# Altium PCB v1.0.PcbDoc (part 2 of 2)
Units mil, origin at the board's own origin, x right, y up, seen from the top; angles counter-clockwise.
Board outline 5485 x 3895 mil, 2 copper layers (Top Layer, Bottom Layer); 197 components, 204 nets, 799 pads, 233 vias.
Unrouted connection lines stored in the file: 46.
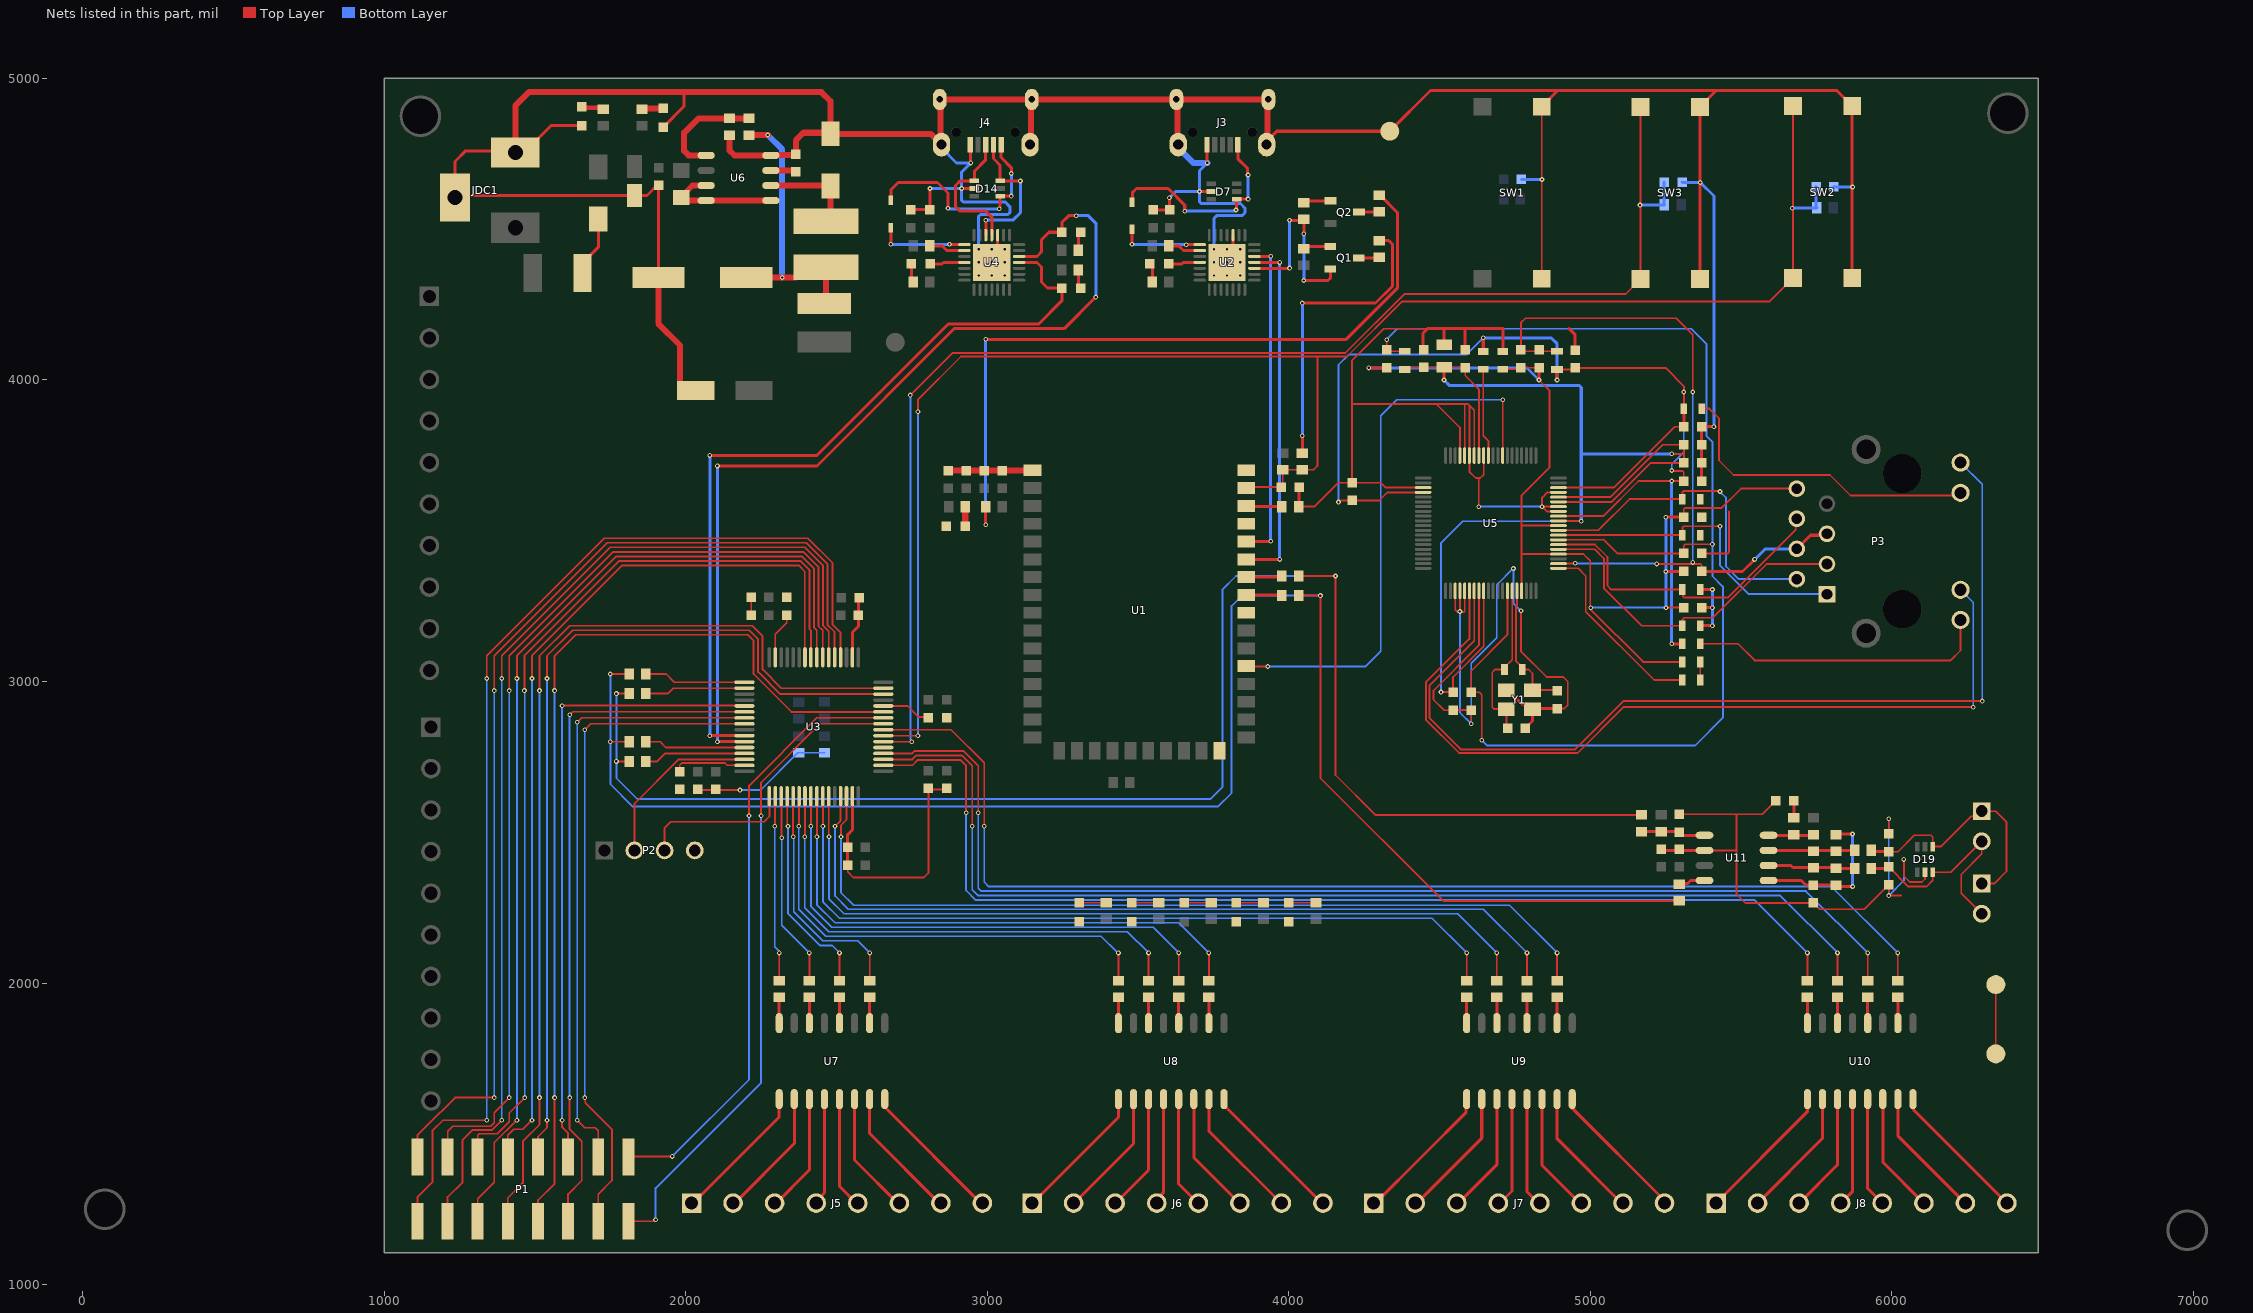
[diagram p2: the nets of this part, all layers, seen from the top]

## Via types
v1: diameter 15.75, hole 7.87, Top Layer to Bottom Layer, 214 vias
v2: diameter 19.68, hole 7.87, Top Layer to Bottom Layer, 18 vias
v3: diameter 23.62, hole 15, Top Layer to Bottom Layer, 1 vias

## Nets (pads, with @x,y where several pads share a name; then routed paths per layer and width w, separated by ;. In a path a pad name is that pad's centre, name@x,y a point inside that pad or via, vN(x,y) a via of type N, cw(c..) or ccw(c..) an arc to the next point about the centre after c; other vN are vias at no path point) (continued)
ESP_GPIO_37: U1.31 U5.28 | length 1860.7
  Top Layer w6: U1.31@3858.66,3050.94 3859.61,3050 v1(3930,3050) ; U5.28@4709.37,3749.41 4709.69,3749.72 v1(4709.69,3934.68)
  Bottom Layer w6: v1(3930,3050) 4255,3050 4305,3100 4305,3880.91 4358.77,3934.68 v1(4709.69,3934.68)
ESP_GPIO_40: D1.1 U1.34
ESP_GPIO_41: R7.1 U1.35 | length 119.7
  Top Layer w10: U1.35@3858.66,3287.17 3975.28,3287.17 R7.1@3977.44,3285
ESP_GPIO_42: R8.1 U1.36 | length 120.3
  Top Layer w10: U1.36@3858.66,3346.22 3973.66,3346.22 R8.1@3977.44,3350
ESP_GPIO_45: D2.1 U1.39
ESP_RST: C2.2 C15.2 R2.1 R6.1 R19.1 SW2.2 U1.41 U3.7 | length 5680.7
  Top Layer w6: U3.7@2655.32,2820.47 2655.55,2820.24 2769.76,2820.24 v1(2770,2820) ; v1(2770,3895) 2770,3935 2913,4078 4095,4078 4193,4078 4375,4260 5593.83,4260 SW2.2@5671.79,4337.96 5671.79,4570 SW2.2@5671.79,4908.83 ; U1.41@3858.66,3641.5 3862.17,3645 C2.2@3975.47,3645 3980,3649.53 R6.1@3980,3702.44 R2.1@4045,3702.44 4082.44,3702.44 4088.72,3708.72 4095,3715 4095,4076
  Bottom Layer w6: v1(2770,2820) v1(2770,3895)
  Bottom Layer w10: v1(5670,4570) 5749.57,4570 R19.1@5751.08,4571.51 5749.11,4573.48 C15.2@5749.11,4641.51
ESP_RTS: Q1.1 R16.1 U2.24 | length 647.9
  Top Layer w10: U2.24@3885.87,4370.31 3885.94,4370.24 4001.98,4370.24 v1(4002.82,4371.08) ; v1(4002.53,4529.71) 4047.27,4529.71 R16.1@4050,4532.44 v1(4050,4485) ; v1(4050,4330) 4130,4330 4137.76,4337.76 Q1.1@4137.76,4367.6
  Bottom Layer w10: v1(4002.53,4529.71) 4002.82,4529.42 v1(4002.82,4371.08) ; v1(4050,4330) v1(4050,4485)
GND: C1.1 C2.1 C3.1 C4.1 C5.1 C6.1 C7.1 C8.1 C9.1 C10.1 C11.1 C12.1 C13.1 C14.1 C15.1 C16.1 C17.1 C18.1 C19.1 C20.1 C21.1 C22.1 C23.1 C24.1 C25.1 C26.1 C30.1 C31.1 C32.1 C33.1 C34.1 C35.1 C36.1 C37.1 C38.1 C39.1 C40.1 C41.1 C42.1 C44.1 C47.2 C48.2 C49.1 C50.2 C51.2 C52.2 C53.1 C54.1 C55.2 C56.2 C57.1 C58.1 D4.1 D7.2 D8.1 D14.2 D15.1 D17.1 D18.1 D19.2 J3.5 J3.Shell J4.5 J4.Shell JDC1.2 JDC1.3 P2.4 R4.2 R23.1 R24.1 R43.2 R47.1 SW1.1 SW2.1 SW3.1 TP2.1 TP3.1 TP4.1 U1.1 U1.26 U1.42 U2.3 U2.29 U3.12 U3.18 U3.63 U4.3 U4.29 U5.13 U5.14 U5.17 U5.32 U5.34 U5.35 U5.36 U5.37 U5.43 U5.63 U5.64 U5.65 U5.68 U6.4 U11.2 Y1.2 Y1.4 | length 24272.5
  Top Layer w6: C10.1@2040,2642.01 2042.01,2640 v1(2180,2640) ; C18.1@2217.01,3220 C11.1@2217.01,3280 ; C16.1@2537.01,2390 2537.33,2389.68 2537.33,2368.77 2556.1,2350 2790,2350 2805,2365 2805,2642.01 C20.1@2865,2642.01 ; U3.12@2655.32,2918.9 2736.1,2918.9 2772.99,2882.01 C14.1@2805,2882.01 ; R4.2@4032.56,3580 4085,3580 4164.53,3659.53 C38.1@4210,3659.53 ; U5.43@4445.59,3643.11 4321.89,3643.11 4305.47,3659.53 C38.1@4210,3659.53 ; 4460,4170 4315,4170 4210,4065 4210,3920 ; U5.63@4551.89,3300.59 4551.89,3238.11 4560,3230 v1@4569.94,3230 ; U5.64@4567.64,3300.59 v1(4567.64,3232.3) v1@4569.94,3230 ; U5.37@4567.64,3749.41 4567.64,3842.36 4490,3920 ; U5.65@4583.39,3300.59 4583.39,3233.51 4579.87,3230 v1@4569.94,3230 ; U5.36@4583.39,3749.41 4583.39,3918.39 4585,3920 ; v1(4605,2860) C31.1@4605,2905.47 C36.1@4545,2905.47 4544.53,2905 4515,2905 4480,2940 4480,2970 4630.63,3120.63 U5.68@4630.63,3300.59 ; U5.34@4614.88,3749.41 4614.88,3900.12 4599.13,3915.87 ; v1(4630,3580) 4630,3672.5 4627.5,3675 ; U5.32@4646.38,3749.41 4646.38,3686.38 4635,3675 4627.5,3675 ; v1(4770,3235) 4770,3100 4855,3015 4910,3015 4925,3000 4925,2920.94 4914.53,2910.47 C30.1@4890,2910.47 ; SW1.1@4839,4335.61 SW1.1@4839,4906.47 ; U5.13@4894.41,3564.37 4855.63,3564.37 v1(4840,3580) ; U5.14@4894.41,3580.12 U5.14@4894.41,3580.12 4840.06,3580.06 v1(4840,3580) ; U5.17@4894.41,3627.36 4857.36,3627.36 4840,3610 v1(4840,3580) ; C53.1@5295,2559.53 5485,2559.53 ; C32.1@5369.53,3425 5456.49,3425 5460,3428.51 5460,3565 ; U11.2@5378.7,2440 5485,2440 ; C58.1@5615.47,2605 5570,2559.53 5485,2559.53 ; C52.2@5990,2494.53 v1(5990,2545) ; 6030,2290 v1(5990,2290) C57.1@5990,2325.94 5909.06,2245 5760.47,2245 C54.1@5740,2265.47 5514.53,2265.47 5485,2295 5485,2440 ; v1(6040,2410) 6040,2355 6060,2335 6100,2335 6110,2345 D19.2@6110,2367.68 ; TP4.1@6345,1765 TP3.1@6345,1995 ; C38.1@4210,3659.53 4210,3920 ; 4210,3920 4490,3920 ; 4490,3920 4585,3920 ; 4585,3920 4595,3920 4599.13,3915.87 ; 4599.13,3915.87 U5.35@4599.13,3749.41 4599.13,3695.87 4620,3675 4627.5,3675 ; 5485,2440 5485,2559.53
  Top Layer w10: JDC1.2@1430,4760 1270,4760 1235,4725 JDC1.3@1235,4605 1241.77,4611.77 C50.2@1830,4611.77 1871.3,4611.77 C49.1@1910,4650.47 ; JDC1.2@1435,4765 JDC1.2@1435,4755 1465,4755 1553.5,4843.5 D17.1@1655.35,4843.5 ; C47.2@1909.33,4340 1910,4340.67 C49.1@1910,4645.47 ; D18.1@1925,4838.5 1995,4908.5 1995,4945 1985,4955 ; C16.1@2537.01,2390 C9.1@2537.01,2450 2537.01,2492.01 2552.95,2507.95 U3.63@2552.95,2619.68 ; U3.18@2552.95,3080.31 2552.95,3162.95 2572.99,3182.99 C12.1@2572.99,3220 C19.1@2572.99,3280 ; C26.1@2747,4565.53 2808.53,4565.53 C25.1@2810,4564.06 v1(2810,4635) ; v1(2915,4635) D14.2@2957.68,4635 ; J4.5@2943.82,4780.83 2944.41,4780.24 2944.41,4720.59 v1(2945,4720) ; v2(3015,4390) 3034.69,4409.69 U4.3@3034.69,4480.55 ; C8.1@3550,4564.06 C7.1@3605,4564.06 3604.15,4564.9 v1(3604.15,4604.15) ; v1(3703.87,4625) D7.2@3742.68,4625 ; J3.5@3728.82,4780.83 3729.41,4780.24 3729.41,4720.59 v1(3730,4720) ; v2(3795.31,4390) 3815,4409.69 U2.3@3815,4480.55 ; J3.Shell@3929.61,4794.61 3960,4825 TP2.1@4335,4825 4470,4960 4892.53,4960 ; R4.2@4032.56,3580 4034.53,3581.97 C2.1@4034.53,3645 ; C42.1@4447,4100.53 4445,4102.53 4445,4155 4460,4170 4515,4170 ; C41.1@4515,4117.4 4515,4170 ; C34.1@4585,4099.53 4585,4170 ; R43.2@4710,4094.53 4710,4170 4585,4170 ; Y1.2@4721.69,2971.5 4726.61,2971.5 4771.97,2926.14 4790.67,2926.14 Y1.4@4808.31,2908.5 ; C33.1@4784.53,2845 4808.31,2868.78 Y1.4@4808.31,2908.5 ; SW1.1@4839,4906.47 4892.53,4960 ; C30.1@4890,2910.47 4810.28,2910.47 Y1.4@4808.31,2908.5 ; 4930,4170 4950,4150 C44.1@4950,4099.06 ; C56.2@5235,2444.53 5239.53,2440 U11.2@5378.7,2440 ; SW3.1@5363.64,4335.04 SW3.1@5363.64,4905.91 5417.73,4960 ; C40.1@5369.06,3665 5369.53,3665.47 C37.1@5369.53,3725 C35.1@5369.53,3785 C39.1@5369.53,3845 v1(5410,3845) ; SW2.1@5868.64,4337.96 SW2.1@5868.64,4908.83 5817.47,4960 5417.73,4960 ; 4515,4170 4585,4170 ; 4892.53,4960 5417.73,4960
  Top Layer w20: JDC1.2@1430,4760 1435,4765 1435,4910 1480,4955 1985,4955 2450,4955 2480,4925 D15.1@2480,4816.61 ; C47.2@1909.33,4340 1909.33,4186.63 1981.54,4114.43 1981.54,3986.5 2003.03,3965 C48.2@2033.54,3965 ; R47.1@2145,4812.44 2145,4761.72 2161.72,4745 U6.4@2282.28,4745 2282.98,4745.69 2361.64,4745.69 C51.2@2365,4749.06 2365,4795 2390,4820 2476.61,4820 D15.1@2480,4816.61 ; J4.Shell@2848.35,4780.83 2848.35,4781.62 J4.Shell@2845.39,4784.57 ; C6.1@2870,3699.53 2870.51,3700.04 3149.49,3700.04 U1.1@3150,3700.55 ; J4.Shell@3141.65,4780.83 3144.61,4783.78 3144.61,4927.48 J4.Shell@3147.56,4930.43 ; J3.Shell@3633.35,4780.83 3630.39,4783.78 3630.39,4927.48 J3.Shell@3627.44,4930.43 ; J3.Shell@3926.65,4780.83 3929.61,4783.78 3929.61,4794.61 3929.61,4927.48 J3.Shell@3932.56,4930.43 J3.Shell@3627.44,4930.43 ; D15.1@2480,4816.61 2812.56,4816.61 2830.42,4798.75 2831.21,4798.75 J4.Shell@2845.39,4784.57 ; J4.Shell@2845.39,4784.57 2845.39,4927.48 J4.Shell@2842.44,4930.43 J4.Shell@3147.56,4930.43 ; J4.Shell@3147.56,4930.43 J3.Shell@3627.44,4930.43
  Bottom Layer w6: v1(2180,2640) 2248.07,2640 2372.05,2763.98 R24.1@2375,2763.98 R23.1@2460,2763.98 ; v1(4567.64,3232.3) 4567.64,2897.36 v1(4605,2860) 4605,3060 4690,3145 4690,3320 v1(4745,3375) 4745,3260 v1(4770,3235) ; v1(4630,3580) v1(4840,3580) ; v1(5990,2545) v1(5990,2290) 6040,2340 v1(6040,2410)
  Bottom Layer w10: v1(2810,4635) v1(2915,4635) ; J4.Shell@2848.35,4780.83 2848.35,4770 2898.35,4720 v1(2945,4720) 2915,4690 v1(2915,4635) ; v2(2971.69,4433.31) 2971.69,4543.14 2977.55,4549 3069,4549 3075,4555 3075,4575 3060,4590 2920.86,4590 2915,4595.86 v1(2915,4635) ; v1(3604.15,4604.15) 3625,4625 v1(3703.87,4625) ; v1(3730,4720) 3703.87,4693.87 v1(3703.87,4625) ; v2(3752.01,4433.31) 3752.01,4536.01 3761,4545 3845,4545 3855,4555 3855,4570 3840,4585 3709.73,4585 3703.87,4590.86 v1(3703.87,4625) ; C1.1@4771.45,4665 v1(4840,4665) ; C22.1@5304.17,4656.51 5305.68,4655 v1(5365,4655) 5410,4610 v1(5410,3845) ; C15.1@5808.17,4641.51 5809.68,4640 v1(5870,4640)
  Bottom Layer w20: J3.Shell@3633.35,4780.83 3633.35,4770 3683.35,4720 v1(3730,4720)
  other v2: 2971.69,4346.69 3015,4346.69 3058.31,4346.69 3752.01,4346.69 3795.31,4346.69 3838.62,4346.69 2971.69,4390 3058.31,4390 3752.01,4390 3838.62,4390 3015,4433.31 3058.31,4433.31 3795.31,4433.31 3838.62,4433.31
GNDA: C27.2 C28.1 C29.2 C43.1 C45.1 C46.1 P3.8 R37.2 R43.1 U5.4 U5.10 U5.77 | length 3609.6
  Top Layer w6: R43.1@4710,4035.47 4765,4035.47 C46.1@4770,4040.47 C45.1@4830,4040.47 ; U5.77@4772.36,3300.59 4772.36,3422.64 4772.36,3425 ; v1(4830,4000) 4865,3965 4865,3710 4772.36,3617.36 4772.36,3517.13 ; U5.10@4894.41,3517.13 4772.36,3517.13 ; v1@5000,3240 5175,3065 R37.2@5305.47,3065 ; v1@5000,3245 5000,3400 4977.36,3422.64 U5.4@4894.41,3422.64 4774.72,3422.64 4772.36,3425 ; v1(5251.13,3245) C29.2@5310.47,3245 ; C27.2@5310.47,3545 5310,3545.47 5310,3571.49 5313.51,3575 5435,3575 5499.8,3639.8 P3.8@5685,3639.8 ; 4772.36,3425 4772.36,3517.13
  Top Layer w10: v1(4265,4040) 4324.53,4040 C43.1@4325,4040.47 ; v1(4830,4000) C45.1@4830,4040.47 ; v1(5250,3365) C28.1@5310.47,3365 ; v1(5250,3545) C27.2@5310.47,3545
  Bottom Layer w6: v1(5001.87,3245) v1(5251.13,3245)
  Bottom Layer w10: v1(4265,4040) 4790,4040 v1(4830,4000) ; v1(5250,3545) 5250.56,3544.44 5250.56,3245.56 v1(5251.13,3245)
LINKLED: P3.10 U5.66 | length 2817.4
  Top Layer w6: U5.66@4599.13,3300.59 4599.13,3141.17 4455,2997.04 4455,2873.03 4565.03,2763 4958,2763 5110,2915 v1(6270,2915)
  Bottom Layer w6: P3.10@6227.91,3304.17 6270,3262.09 v1(6270,2915)
NetC23_2: C23.2 U3.31 | length 155.9
  Top Layer w6: U3.31@2297.05,3080.31 2297.05,3157.05 2335,3195 C23.2@2335,3220.47
NetC24_2: C24.2 U3.47 | length 242.6
  Top Layer w6: C24.2@1980,2701.06 1980,2723.03 1986.7,2729.73 2130.27,2729.73 2137.95,2722.05 U3.47@2194.69,2722.05
NetC27_1: C27.1 R35.2 R36.2
NetC29_1: C29.1 R41.2 R42.2 | length 236.4
  Top Layer w10: R41.2@5364.53,3185 v1(5405,3185) ; R42.2@5364.53,3305 v1(5405,3305) ; C29.1@5369.53,3245 v1(5405,3245)
  Bottom Layer w10: v1(5405,3185) v1(5405,3245) v1(5405,3305)
NetC47_1: C47.1 L3.2 L4.1 R46.2 | length 955.4
  Top Layer w20: C47.1@2200.67,4340 v1(2320,4340) 2364.84,4340 2399.06,4374.21 L3.2@2465,4374.21 2465,4258.98 L4.1@2460,4253.98 ; R46.2@2210,4812.44 v1(2272.44,4812.44)
  Bottom Layer w20: v1(2272.44,4812.44) 2320,4764.88 v1(2320,4340)
NetC51_1: C51.1 U6.3 | length 84.8
  Top Layer w20: U6.3@2282.28,4695 2282.98,4694.31 2360.69,4694.31 C51.1@2365,4690
NetC52_1: C52.1 D19.4 P4.1 P5.1 R69.1 | length 832.9
  Top Layer w6: C52.1@5990,2435.47 6020.47,2435.47 6075,2490 6130,2490 6135.59,2484.41 D19.4@6135.59,2452.32 6162.32,2452.32 6263.18,2553.18 6281.36,2553.18 P5.1@6298.19,2570 6345,2570 6380,2535 6380,2370 6340,2330 P4.1@6298.19,2330
  Top Layer w10: R69.1@5932.56,2440 5937.09,2435.47 C52.1@5990,2435.47
NetC53_2: C53.2 R67.1 R68.1 U11.1 | length 213.9
  Top Layer w10: R68.1@5170,2502.44 R67.1@5235,2502.44 5293.03,2502.44 C53.2@5295,2500.47 5305.47,2490 U11.1@5378.7,2490
NetC57_2: C57.2 D19.3 P4.2 P5.2 R74.1 | length 769.1
  Top Layer w6: C57.2@5990,2385 6055,2320 6115,2320 6135.59,2340.59 D19.3@6135.59,2367.68 6195.87,2367.68 P5.2@6298.19,2470 6298.19,2428.19 6230,2360 6230,2298.19 P4.2@6298.19,2230
  Top Layer w10: R74.1@5932.56,2380 5985,2380 C57.2@5990,2385
NetC58_2: C58.2 R76.1 | length 57.6
  Top Layer w10: C58.2@5674.53,2605 5675,2604.53 R76.1@5675,2547.56
NetD1_2: D1.2 R9.1 | length 89.9
  Top Layer w6: D1.2@4000.11,2266.5 4089.94,2266.5 R9.1@4090,2266.56
NetD2_2: D2.2 R10.1 | length 89.9
  Top Layer w6: D2.2@3826.33,2266.5 3916.16,2266.5 R10.1@3916.22,2266.56
NetD3_2: D3.2 R11.1 | length 89.9
  Top Layer w6: D3.2@3652.56,2266.5 3742.38,2266.5 R11.1@3742.44,2266.56
NetD4_2: D4.2 R12.1 | length 65.4
  Top Layer w20: D4.2@2926.5,3515 2927.03,3515.53 2927.03,3579.47 R12.1@2927.56,3580
NetD5_1: D5.1 U2.11 | length 104.3
  Top Layer w10: D5.1@3602.5,4385 3645,4385 3650,4390 U2.11@3704.76,4390
NetD5_2: D5.2 R17.1 | length 63.3
  Top Layer w10: D5.2@3539.5,4385 3547.44,4377.06 R17.1@3547.44,4325
NetD6_2: D6.2 D7.4 J3.1 | length 694.6
  Top Layer w10: D6.2@3480,4590.28 3481.02,4591.3 3481.02,4621.02 3495,4635 3600,4635 3655,4580 v1(3655,4560) ; v1(3825,4563.87) 3827.32,4566.2 D7.4@3827.32,4599.41 3827.62,4599.7 3864.7,4599.7 v1(3865,4600) ; J3.1@3831.18,4780.83 3831.18,4733.82 3863.9,4701.1 3863.9,4681.1 v1(3865,4680)
  Bottom Layer w10: v1(3655,4560) 3656,4561 3820.57,4561 3823.44,4563.87 v1(3825,4563.87) ; v1(3865,4600) v1(3865,4680)
NetD8_2: D8.2 R29.1 | length 89.9
  Top Layer w6: D8.2@3478.78,2266.5 3478.84,2266.56 R29.1@3568.67,2266.56
NetD9_2: D9.2 R30.1 | length 89.9
  Top Layer w6: D9.2@3305,2266.5 3394.83,2266.5 R30.1@3394.89,2266.56
NetD10_1: D10.1 U3.42 U4.25 | length 2673.6
  Top Layer w10: v1(2080,2820) 2080.24,2820.24 2194.45,2820.24 U3.42@2194.69,2820.47 ; v1(2080,3750) 2435,3750 2871,4186 3171,4186 3247.5,4262.5 D10.1@3247.5,4305 3200,4305 3180,4325 3180,4375 3165,4390 U4.25@3105.55,4390
  Bottom Layer w10: v1(2080,2820) 2080,3395 v1(2080,3750)
NetD10_2: D10.2 R32.1 | length 63.3
  Top Layer w10: R32.1@3302.56,4365 3302.56,4312.94 D10.2@3310.5,4305
NetD11_1: D11.1 U3.43 U4.26 | length 3100.3
  Top Layer w10: v1(2105,2800) 2105.44,2800.44 2194.34,2800.44 U3.43@2194.69,2800.79 ; v1(2105,3715) 2435,3715 2890,4170 3255,4170 v1(3360,4275) ; U4.26@3105.55,4409.69 3164.69,4409.69 3180,4425 3180,4465 3205,4490 D11.1@3247.5,4490 3247.5,4522.5 3270,4545 v1(3295,4545)
  Bottom Layer w10: v1(2105,2800) 2105,3385 v1(2105,3715) ; v1(3295,4545) 3335,4545 3360,4520 v1(3360,4275)
NetD11_2: D11.2 R33.1 | length 63.3
  Top Layer w10: R33.1@3302.56,4430 3302.56,4482.06 D11.2@3310.5,4490
NetD12_1: D12.1 U4.11 | length 115
  Top Layer w10: D12.1@2811.5,4385 2850,4385 2855,4390 U4.11@2924.45,4390
NetD12_2: D12.2 R34.1 | length 62.6
  Top Layer w10: D12.2@2748.5,4385 2748.5,4331.38 R34.1@2754.88,4325
NetD13_2: D13.2 D14.4 J4.1 | length 735.4
  Top Layer w10: D13.2@2680,4595.55 2680,4630 2705,4655 2835,4655 2870,4620 v1(2870,4570) ; v1(3040,4567.87) 3042.32,4570.2 D14.4@3042.32,4609.41 3042.62,4609.7 3079.7,4609.7 v1(3080,4610) ; J4.1@3046.18,4780.83 3046.18,4737.81 3080,4703.99 v1(3080,4685)
  Bottom Layer w10: v1(2870,4570) 2871.1,4568.9 2875.16,4568.9 2876.19,4567.87 v1(3040,4567.87) ; v1(3080,4610) v1(3080,4685)
NetD15_2: D15.2 L3.1 U6.2 | length 322.2
  Top Layer w20: U6.2@2282.28,4645 2478.39,4645 D15.2@2480,4643.39 2480,4540.79 L3.1@2465,4525.79
NetD16_1: D16.1 F1.2 | length 200.1
  Top Layer w10: F1.2@1657.68,4355 1657.68,4387.68 1710,4440 D16.1@1710,4533.39
NetD17_2: D17.2 R49.1 | length 74.5
  Top Layer w15: D17.2@1655.35,4906.5 1659.32,4902.53 1722.6,4902.53 R49.1@1726.57,4898.56
NetD18_2: D18.2 R50.1 | length 71.4
  Top Layer w20: R50.1@1854.78,4898.56 1856.25,4900.03 1923.53,4900.03 D18.2@1925,4901.5
NetJ5_1: J5.1 U7.9 | length 465.4
  Top Layer w10: J5.1@2019.41,1265 2310,1555.59 U7.9@2310,1610
NetJ5_2: J5.2 U7.10 | length 429
  Top Layer w10: J5.2@2157.2,1265 2360,1467.8 U7.10@2360,1610
NetJ5_3: J5.3 U7.11 | length 392.6
  Top Layer w10: J5.3@2295,1265 2410,1380 U7.11@2410,1610
NetJ5_4: J5.4 U7.12 | length 356.3
  Top Layer w10: J5.4@2432.8,1265 2432.8,1277.74 2460,1304.94 U7.12@2460,1610
NetJ5_5: J5.5 U7.13 | length 370.1
  Top Layer w10: U7.13@2510,1610 2510,1325.59 J5.5@2570.59,1265
NetJ5_6: J5.6 U7.14 | length 406.5
  Top Layer w10: U7.14@2560,1610 2560,1413.39 J5.6@2708.39,1265
NetJ5_7: J5.7 U7.15 | length 442.8
  Top Layer w10: U7.15@2610,1610 2610,1501.18 J5.7@2846.18,1265
NetJ5_8: J5.8 U7.16 | length 479.4
  Top Layer w10: U7.16@2660,1610 2660,1588.66 2983.66,1265 J5.8@2983.98,1265
NetJ6_1: J6.1 U8.9 | length 463.5
  Top Layer w10: J6.1@3148.82,1268.78 3435,1554.96 U8.9@3435,1613.78
NetJ6_2: J6.2 U8.10 | length 427.2
  Top Layer w10: J6.2@3286.61,1268.78 3485,1467.16 U8.10@3485,1613.78
NetJ6_3: J6.3 U8.11 | length 390.8
  Top Layer w10: J6.3@3424.41,1268.78 3535,1379.37 U8.11@3535,1613.78
NetJ6_4: J6.4 U8.12 | length 354.4
  Top Layer w10: J6.4@3562.2,1268.78 3562.2,1283.65 3585,1306.44 U8.12@3585,1613.78
NetJ6_5: J6.5 U8.13 | length 371.9
  Top Layer w10: U8.13@3635,1613.78 3635,1333.78 J6.5@3700,1268.78
NetJ6_6: J6.6 U8.14 | length 408.3
  Top Layer w10: U8.14@3685,1613.78 3685,1421.57 J6.6@3837.8,1268.78
NetJ6_7: J6.7 U8.15 | length 444.7
  Top Layer w10: U8.15@3735,1613.78 3735,1509.37 J6.7@3975.59,1268.78
NetJ6_8: J6.8 U8.16 | length 480
  Top Layer w10: U8.16@3785,1613.78 3785,1594.64 J6.8@4110.87,1268.78
NetJ7_1: J7.1 U9.9 | length 472.7
  Top Layer w10: J7.1@4281.61,1265 4448.24,1431.63 4588.52,1571.91 4588.52,1608.52 U9.9@4590,1610
NetJ7_2: J7.2 U9.10 | length 436.4
  Top Layer w10: J7.2@4419.41,1265 4640,1485.59 U9.10@4640,1610
NetJ7_3: J7.3 U9.11 | length 400
  Top Layer w10: J7.3@4557.2,1265 4690,1397.8 U9.11@4690,1610
NetJ7_4: J7.4 U9.12 | length 363.6
  Top Layer w10: J7.4@4695,1265 4740,1310 U9.12@4740,1610
NetJ7_5: J7.5 U9.13 | length 362.7
  Top Layer w10: U9.13@4790,1610 4790,1307.8 J7.5@4832.8,1265
NetJ7_6: J7.6 U9.14 | length 399.1
  Top Layer w10: U9.14@4840,1610 4840,1395.59 J7.6@4970.59,1265
NetJ7_7: J7.7 U9.15 | length 435.5
  Top Layer w10: U9.15@4890,1610 4890,1483.39 J7.7@5108.39,1265
NetJ7_8: J7.8 U9.16 | length 471.8
  Top Layer w10: U9.16@4940,1610 4940,1584.66 5246.18,1278.48 J7.8@5246.18,1265
NetJ8_1: J8.1 U10.9 | length 470.4
  Top Layer w10: J8.1@5417.2,1270 5720,1572.8 U10.9@5720,1615
NetJ8_2: J8.2 U10.10 | length 434.1
  Top Layer w10: J8.2@5555,1270 5770,1485 U10.10@5770,1615
NetJ8_3: J8.3 U10.11 | length 397.7
  Top Layer w10: J8.3@5692.8,1270 5820,1397.2 U10.11@5820,1615
NetJ8_4: J8.4 U10.12 | length 361.3
  Top Layer w10: J8.4@5830.59,1270 5870,1309.41 U10.12@5870,1615
NetJ8_5: J8.5 U10.13 | length 365
  Top Layer w10: U10.13@5920,1615 5920,1318.39 J8.5@5968.39,1270
NetJ8_6: J8.6 U10.14 | length 401.4
  Top Layer w10: U10.14@5970,1615 5970,1406.18 J8.6@6106.18,1270
NetJ8_7: J8.7 U10.15 | length 437.8
  Top Layer w10: U10.15@6020,1615 6020,1493.98 J8.7@6243.98,1270
NetJ8_8: J8.8 U10.16 | length 474.1
  Top Layer w10: U10.16@6070,1615 6072.61,1612.39 6072.61,1579.17 J8.8@6381.77,1270
NetP3_9: P3.9 R38.1 | length 1001.1
  Top Layer w6: R38.1@5364.53,3125 5490,3125 5545,3070 6195,3070 6227.91,3102.91 P3.9@6227.91,3204.17
NetP3_11: P3.11 R40.1 | length 1063.3
  Top Layer w6: R40.1@5369.53,3905 5395,3905 5426.87,3873.13 5426.87,3733.13 5475,3685 5795,3685 5862.98,3617.02 6219.11,3617.02 P3.11@6227.91,3625.83
NetQ1_2: Q1.2 R15.2 | length 90.8
  Top Layer w10: R15.2@4050,4435.12 4057.28,4442.4 Q1.2@4137.76,4442.4
NetQ1_3: Q1.3 R13.1 | length 68.8
  Top Layer w10: Q1.3@4232.24,4405 4297.56,4405 R13.1@4300,4407.44
NetQ2_2: Q2.2 R16.2 | length 91.5
  Top Layer w10: R16.2@4050,4587.56 4056.85,4594.41 Q2.2@4138.69,4594.41
NetQ2_3: Q2.3 R18.1 | length 67
  Top Layer w10: Q2.3@4233.17,4557.01 4299.57,4557.01 R18.1@4300,4557.44
NetR2_2: R2.2 R13.2 | length 1007.8
  Top Layer w10: R2.2@4045,3757.56 v1(4045,3815) ; v1(4045,4255) 4287.98,4255 4344,4311.02 4344,4450 4331.44,4462.56 R13.2@4300,4462.56
  Bottom Layer w10: v1(4045,3815) v1(4045,4255)
NetR3_2: R3.2 R18.2 | length 2445
  Top Layer w10: R3.2@2994.88,3580 2995,3579.88 v1(2995,3520) ; v1(2995,4135) 4190.6,4135 4360,4304.4 4360,4555.51 4302.95,4612.56 R18.2@4300,4612.56
  Bottom Layer w10: v1(2995,3520) v1(2995,4135)
NetR4_1: R4.1 U1.40 | length 119.8
  Top Layer w10: U1.40@3858.66,3582.44 3861.1,3580 R4.1@3977.44,3580
NetR7_2: R7.2 R25.2 R26.2 R73.2 | length 5565.3
  Top Layer w6: v1(1750,2800) R25.2@1812.44,2800 ; v1(1750,3025) R26.2@1812.44,3025 ; R7.2@4032.56,3285 v1(4105,3285) 4105,2680 4512.56,2272.44 R73.2@5295,2272.44
  Bottom Layer w6: v1(1750,3025) v1(1750,2800) 1750,2660 1825,2585 3765,2585 3810,2630 3810,3250 3845,3285 v1(4105,3285)
NetR8_2: R8.2 R27.2 R28.2 R68.2 | length 5321.4
  Top Layer w6: v1(1770,2735) R28.2@1812.44,2735 ; v1(1770,2960) R27.2@1812.44,2960 ; R8.2@4032.56,3350 v1(4155,3350) 4155,2690 4287.44,2557.56 R68.2@5170,2557.56
  Bottom Layer w6: v1(1770,2960) v1(1770,2735) 1770,2680 1840,2610 3740,2610 3780,2650 3780,3305 3825,3350 v1(4155,3350)
NetR14_1: R14.1 U2.9 | length 108.7
  Top Layer w10: R14.1@3602.56,4445 3635,4445 3650.63,4429.37 U2.9@3704.76,4429.37
NetR31_1: R31.1 U4.9 | length 120.8
  Top Layer w10: R31.1@2810.12,4445 2850,4445 2865.63,4429.37 U4.9@2924.45,4429.37
NetR37_1: R37.1 R39.2 | length 60
  Top Layer w6: R39.2@5364.53,3005 R37.1@5364.53,3065
NetR39_1: R39.1 U5.1 | length 633.6
  Top Layer w6: U5.1@4894.41,3375.39 4959.61,3375.39 4985,3350 4985,3231.97 5211.97,3005 R39.1@5305.47,3005
NetR45_2: R45.2 U5.31 | length 293.2
  Top Layer w6: R45.2@4645,4035.47 4645,3815 4662.13,3797.87 U5.31@4662.13,3749.41
NetR46_1: R46.1 R47.2 U6.5 | length 373.6
  Top Layer w20: U6.5@2067.72,4745 2010,4745 1995,4760 1995,4820 2042.56,4867.56 R47.2@2145,4867.56 R46.1@2210,4867.56
NetR48_2: R48.2 U6.1 U6.7 U6.8 | length 400.3
  Top Layer w20: R48.2@1985,4610 1987.5,4610 2022.5,4645 U6.7@2067.72,4645 ; R48.2@1987.5,4615 2007.5,4595 U6.8@2067.72,4595 U6.1@2282.28,4595
NetR51_2: R51.2 U7.2 | length 85.5
  Top Layer w10: U7.2@2610,1861.97 R51.2@2610,1947.44
NetR52_2: R52.2 U8.2 | length 85.5
  Top Layer w10: U8.2@3735,1865.74 R52.2@3735,1951.22
NetR53_2: R53.2 U7.4 | length 85.5
  Top Layer w10: U7.4@2510,1861.97 R53.2@2510,1947.44
NetR54_2: R54.2 U8.4 | length 85.5
  Top Layer w10: U8.4@3635,1865.74 R54.2@3635,1951.22
NetR55_2: R55.2 U7.6 | length 85.5
  Top Layer w10: U7.6@2410,1861.97 R55.2@2410,1947.44
NetR56_2: R56.2 U8.6 | length 85.5
  Top Layer w10: U8.6@3535,1865.74 R56.2@3535,1951.22
NetR57_2: R57.2 U7.8 | length 85.5
  Top Layer w10: U7.8@2310,1861.97 R57.2@2310,1947.44
NetR58_2: R58.2 U8.8 | length 85.5
  Top Layer w10: U8.8@3435,1865.74 R58.2@3435,1951.22
NetR59_2: R59.2 U9.2 | length 85.5
  Top Layer w10: U9.2@4890,1861.97 R59.2@4890,1947.44
NetR60_2: R60.2 U10.2 | length 85.5
  Top Layer w10: U10.2@6020,1866.97 R60.2@6020,1952.44
NetR61_2: R61.2 U9.4 | length 85.5
  Top Layer w10: U9.4@4790,1861.97 R61.2@4790,1947.44
NetR62_2: R62.2 U10.4 | length 85.5
  Top Layer w10: U10.4@5920,1866.97 R62.2@5920,1952.44
NetR63_2: R63.2 U9.6 | length 85.5
  Top Layer w10: U9.6@4690,1861.97 R63.2@4690,1947.44
NetR64_2: R64.2 U10.6 | length 85.5
  Top Layer w10: U10.6@5820,1866.97 R64.2@5820,1952.44
NetR65_2: R65.2 U9.8 | length 85.5
  Top Layer w10: U9.8@4590,1861.97 R65.2@4590,1947.44
NetR66_2: R66.2 U10.8 | length 85.5
  Top Layer w10: U10.8@5720,1866.97 R66.2@5720,1952.44
NetR69_2: R69.2 R70.1 R71.1 U11.7 | length 288.2
  Top Layer w10: U11.7@5591.3,2440 5737.56,2440 R71.1@5740,2437.56 5742.44,2440 R69.2@5877.44,2440
NetR71_2: R71.2 R72.2 R74.2 U11.6 | length 290.3
  Top Layer w10: U11.6@5591.3,2390 5665.72,2390 5673.28,2382.44 R71.2@5740,2382.44 5812.56,2382.44 R72.2@5815,2380 R74.2@5877.44,2380
NetR73_1: R73.1 U11.4 | length 88.9
  Top Layer w10: R73.1@5295,2327.56 5297.74,2330.3 5322.84,2330.3 5332.54,2340 U11.4@5378.7,2340
NetR75_2: R75.2 R76.2 U11.8 | length 149.7
  Top Layer w10: U11.8@5591.3,2490 5737.56,2490 R75.2@5740,2492.44
NetU1_37: U1.37 U2.25 | length 1180.6
  Top Layer w10: U1.37@3858.66,3405.28 3858.94,3405 v1(3970,3405) ; U2.25@3885.87,4390 v1(3970,4390)
  Bottom Layer w10: v1(3970,3405) v1(3970,4390)
NetU1_38: U1.38 U2.26 | length 1080.9
  Top Layer w10: U1.38@3858.66,3464.33 3859.33,3465 v1(3940,3465) ; U2.26@3885.87,4409.69 3885.94,4409.76 3939.76,4409.76 v1(3940,4410)
  Bottom Layer w10: v1(3940,3465) v1(3940,4410)
RXIN: P3.6 R42.1 U5.6 | length 1058.9
  Top Layer w6: U5.6@4894.41,3454.13 5015.74,3454.13 5057,3412.87 5057,3318 5070,3305 R42.1@5305.47,3305 5307.62,3302.85 5307.62,3281.8 5311.14,3278.28 5456.31,3278.28 5681.31,3503.28 5681.31,3536.12 P3.6@5685,3539.8
RXIP: P3.3 R41.1 U5.5 | length 1149.7
  Top Layer w6: U5.5@4894.41,3438.39 5014.51,3438.39 5045,3407.9 5045,3310 5170,3185 R41.1@5305.47,3185 5305.47,3205.47 5311.72,3211.72 5406.72,3211.72 5584.8,3389.8 P3.3@5785,3389.8
SPDLED: P3.12 U5.67 | length 3246.5
  Top Layer w6: U5.67@4614.88,3300.59 4614.88,3134.88 4467,2987 4467,2878 4570,2775 4950,2775 5110,2935 v1(6300,2935)
  Bottom Layer w6: P3.12@6227.91,3725.83 6300,3653.74 v1(6300,2935)
STM_D+: D14.1 J4.3 U4.4 | length 468.8
  Top Layer w10: J4.3@2995,4780.83 2995,4730 2957.68,4692.68 D14.1@2957.68,4660.59 2910.59,4660.59 2895,4645 2895,4575 2910,4560 2995,4560 3015,4540 U4.4@3015,4480.55
STM_D-: D14.6 J4.2 U4.5 | length 477.1
  Top Layer w10: v1(2995,4530) 2995.24,4529.76 2995.24,4480.63 U4.5@2995.32,4480.55 ; J4.2@3020.59,4780.83 3020.59,4734.41 3042.32,4712.68 D14.6@3042.32,4660.59 3042.91,4660 v1(3110,4660)
  Bottom Layer w10: v1(2995,4530) 3085,4530 3110,4555 v1(3110,4660)
STM_PA0: P1.10 U3.14 | length 2978.4
  Top Layer w6: P1.10@1510,1422.6 1510,1490 1540,1520 v1(1540,1545) ; v1(1540,3010) 1540,3085 1625,3170 2210,3170 2240,3140 2240,3031.97 2313.7,2958.27 U3.14@2655.32,2958.27
  Bottom Layer w6: v1(1540,1545) 1540,3005 v1@1545,3010
STM_PA1: P1.7 U3.15 | length 3252.5
  Top Layer w6: P1.7@1410,1210 1410,1287.06 1460,1337.06 1460,1475 1515,1530 v1(1515,1620) ; v1(1515,2970) 1515,3085 1615,3185 2220,3185 2255,3150 2255,3040 2317.05,2977.95 U3.15@2655.32,2977.95
  Bottom Layer w6: v1(1515,1620) 1515,2965 v1@1520,2970
STM_PA4: P1.1 U3.20 | length 3721.4
  Top Layer w6: P1.1@1110,1210 1110,1290 1160,1340 1160,1510 1195,1545 v1(1340,1545) ; v1(1340,3010) 1340,3085 1730,3475 2405,3475 2487,3393 2487,3188 2513.58,3161.42 U3.20@2513.58,3080.31
  Bottom Layer w6: v1(1340,1545) v1(1340,3010)
STM_PA5: P1.2 U3.21 | length 3455.2
  Top Layer w6: P1.2@1110,1422.6 1110,1495 1140,1525 1235,1620 v1(1365,1620) ; v1(1365,2970) 1365,3085 1740,3460 2400,3460 2470,3390 2470,3188.03 2493.9,3164.13 U3.21@2493.9,3080.31
  Bottom Layer w6: v1(1365,1620) 1365,2965 v1@1370,2970
STM_PA6: P1.3 U3.22 | length 3541.3
  Top Layer w6: P1.3@1210,1210 1210,1290 1260,1340 1260,1480 1293,1513 1358,1513 v1(1390,1545) ; v1(1390,3010) 1390,3085 1750,3445 2395,3445 2455,3385 2455,3186.06 2474.21,3166.85 U3.22@2474.21,3080.31
  Bottom Layer w6: v1(1390,1545) 1390,3005 v1@1395,3010
STM_PA7: P1.4 U3.23 | length 3315.5
  Top Layer w6: P1.4@1210,1422.6 1210.99,1423.58 1210.99,1509.01 1226.97,1525 1353.03,1525 1365,1536.97 1365,1570 v1(1415,1620) ; v1(1415,2970) 1415,3085 1760,3430 2390,3430 2440,3380 2440,3184.04 2454.53,3169.52 U3.23@2454.53,3080.31
  Bottom Layer w6: v1(1415,1620) v1(1415,2970)
STM_PA11_CAN1_RX: R25.1 U3.44 | length 335
  Top Layer w6: R25.1@1867.56,2800 1915,2800 1933.9,2781.1 U3.44@2194.69,2781.1
STM_PA12_CAN1_TX: R28.1 U3.45 | length 338.1
  Top Layer w6: R28.1@1867.56,2735 1905,2735 1931.42,2761.42 U3.45@2194.69,2761.42
STM_PA13: P2.2 U3.46 | length 580.6
  Top Layer w6: P2.2@1830,2440 1830,2595.29 1976.45,2741.73 U3.46@2194.69,2741.73
STM_PA14: P2.3 U3.49 | length 505.2
  Top Layer w6: P2.3@1930,2440 1930,2515 1950,2535 2260,2535 2277.36,2552.36 U3.49@2277.36,2619.68
STM_PA15: R57.1 U3.50 | length 619.2
  Top Layer w6: v1(2295,2520) 2296.02,2521.02 2296.02,2618.66 U3.50@2297.05,2619.68 ; R57.1@2310,2007.56 v1(2310,2100)
  Bottom Layer w6: v1(2295,2520) 2295,2120 2310,2105 v1(2310,2100)
STM_PB0: P1.8 U3.26 | length 3030.5
  Top Layer w6: P1.8@1410,1422.6 1410,1495 1430,1515 1460,1515 v1(1490,1545) ; v1(1490,3010) 1490,3085 1790,3385 2375,3385 2395,3365 2395,3080.79 U3.26@2395.47,3080.31
  Bottom Layer w6: v1@1490,1550 v1(1490,3010)
STM_PB3: R56.1 U3.55 | length 1659.5
  Top Layer w6: v1(2395,2485) 2395.24,2485.24 2395.24,2619.45 U3.55@2395.47,2619.68 ; R56.1@3535,2007.56 v1@3535,2095
  Bottom Layer w6: v1(2395,2485) 2395,2250 2475,2170 3465,2170 v1(3535,2100)
STM_PB4: R54.1 U3.56 | length 1742
  Top Layer w6: v1(2415,2520) 2415.08,2520.08 2415.08,2619.61 U3.56@2415.16,2619.68 ; R54.1@3635,2007.56 v1(3635,2100)
  Bottom Layer w6: v1(2415,2520) 2415,2254 2484,2185 3550,2185 v1(3635,2100)
STM_PB5: R52.1 U3.57 | length 1818.5
  Top Layer w6: U3.57@2434.84,2619.68 2434.92,2619.61 2434.92,2485.08 v1(2435,2485) ; R52.1@3735,2007.56 v1(3735,2100)
  Bottom Layer w6: v1(2435,2485) 2435,2260 2495,2200 3635,2200 v1(3735,2100)
STM_PB6: R65.1 U3.58 | length 2637.7
  Top Layer w6: U3.58@2454.53,2619.68 2454.76,2619.45 2454.76,2520.24 v1(2455,2520) ; R65.1@4590,2007.56 4590,2090
  Bottom Layer w6: v1(2455,2520) 2455,2270 2510,2215 4475,2215 v1(4590,2100)
STM_PB7: R63.1 U3.59 | length 2722
  Top Layer w6: U3.59@2474.21,2619.68 2474.61,2619.29 2474.61,2485.39 v1(2475,2485) ; R63.1@4690,2007.56 v1(4690,2100)
  Bottom Layer w6: v1(2475,2485) 2475,2280 2525,2230 4560,2230 v1(4690,2100)
STM_PB8: R61.1 U3.61 | length 2804.2
  Top Layer w6: v1(2495,2520) 2513.58,2538.58 U3.61@2513.58,2619.68 ; R61.1@4790,2007.56 v1(4790,2100)
  Bottom Layer w6: v1(2495,2520) 2495,2288.81 2538.81,2245 4645,2245 v1(4790,2100)
STM_PB9: R59.1 U3.62 | length 2877.5
  Top Layer w6: v1(2515,2485) 2515,2523.03 2533.27,2541.3 U3.62@2533.27,2619.68 ; R59.1@4890,2007.56 v1(4890,2100)
  Bottom Layer w6: v1(2515,2485) 2515,2300 2557,2258 4732,2258 v1(4890,2100)
STM_PB12_CAN2_RX: R26.1 U3.33 | length 338.5
  Top Layer w6: R26.1@1867.56,3025 1935,3025 1962.36,2997.64 U3.33@2194.69,2997.64
STM_PB13_CAN2_TX: R27.1 U3.34 | length 334.6
  Top Layer w6: R27.1@1867.56,2960 1940,2960 1957.95,2977.95 U3.34@2194.69,2977.95
STM_PC0: R60.1 U3.8 | length 3995.1
  Top Layer w6: U3.8@2655.32,2840.16 2879.84,2840.16 2990,2730 2990,2520.08 v1(2989.96,2520.04) ; R60.1@6020,2007.56 v1(6020,2100)
  Bottom Layer w6: v1(2989.96,2520.04) 2989.96,2335.04 3005,2320 5800,2320 v1(6020,2100)
STM_PC1: P1.15 U3.9 | length 2173.1
  Top Layer w6: P1.15@1810,1210 1892.36,1210 1897.36,1215 v1(1900,1215) ; v1(2250,2555) 2250,2665 2444.84,2859.84 U3.9@2655.32,2859.84
  Bottom Layer w6: v1(1900,1215) 1900,1320 2250,1670 v1(2250,2555)
STM_PC2: P1.16 U3.10 | length 2019.9
  Top Layer w6: P1.16@1810,1422.6 1812.4,1425 v1(1955,1425) ; v1(2210,2555) 2210,2655 2434.53,2879.53 U3.10@2655.32,2879.53
  Bottom Layer w6: v1(1955,1425) 2210,1680 v1(2210,2555)
STM_PC3: P1.9 U3.11 | length 3192.5
  Top Layer w6: P1.9@1510,1210 1510,1280 1565,1335 v1(1565,1620) ; v1(1565,2970) 1565,3085 1635,3155 2205,3155 2225,3135 2225,3025 2350.79,2899.21 U3.11@2655.32,2899.21
  Bottom Layer w6: v1(1565,1620) v1(1565,2970) v1@1565,2975
STM_PC4: P1.5 U3.24 | length 3361.5
  Top Layer w6: P1.5@1310,1210 1310,1285 1365,1340 1365,1471.04 1438.96,1545 v1(1440,1545) ; v1(1440,3010) 1440,3085 1770,3415 2385,3415 2425,3375 2425,3179.7 2434.84,3169.86 U3.24@2434.84,3080.31
  Bottom Layer w6: v1(1440,1545) v1@1440,3005
STM_PC5: P1.6 U3.25 | length 3140.9
  Top Layer w6: P1.6@1310,1422.6 1310,1495 1315,1500 1375,1500 1415,1540 1415,1568.93 v1(1466.05,1619.99) ; v1(1465,2970) 1465,3085 1780,3400 2380,3400 2410,3370 2410,3174.36 2415.16,3169.2 U3.25@2415.16,3080.31
  Bottom Layer w6: v1(1466.05,1619.99) v1@1466.05,2968.95
STM_PC6: P1.12 U3.37 | length 2115.8
  Top Layer w6: v1(1590,1545) 1590,1521.49 1610,1501.49 P1.12@1610,1422.6 ; v1(1590,2920) 2193.58,2920 U3.37@2194.69,2918.9
  Bottom Layer w6: v1@1590,1540 v1(1590,1545) v1(1590,2920)
STM_PC7: P1.11 U3.38 | length 2299
  Top Layer w6: P1.11@1610,1210 1610,1300 1655,1345 1655,1475 1615,1515 v1(1615,1620) ; v1(1615,2890) 1624.61,2899.61 2194.29,2899.61 U3.38@2194.69,2899.21
  Bottom Layer w6: v1(1615,1620) v1(1615,2890)
STM_PC8: P1.14 U3.39 | length 2049.5
  Top Layer w6: v1(1640,1545) 1665,1520 1700,1520 1710,1510 P1.14@1710,1422.6 ; v1(1640,2865) 1654.53,2879.53 U3.39@2194.69,2879.53
  Bottom Layer w6: v1@1640,1550.18 1640,2860 v1@1645,2865
STM_PC9: P1.13 U3.40 | length 2223.8
  Top Layer w6: v1(1665,1620) 1666.87,1618.13 1666.87,1603.13 1755,1515 1755,1345 1710,1300 P1.13@1710,1210 ; v1(1665,2840) 1684.84,2859.84 U3.40@2194.69,2859.84
  Bottom Layer w6: v1(1665,1620) v1(1665,2840)
STM_PC10: R55.1 U3.51 | length 650.8
  Top Layer w6: U3.51@2316.73,2619.68 2317.46,2618.96 2317.46,2482.7 v1(2318.18,2481.98) ; R55.1@2410,2007.56 v1(2410,2100)
  Bottom Layer w6: v1(2318.18,2481.98) 2318.18,2191.82 v1(2410,2100)
STM_PC11: R53.1 U3.52 | length 707.5
  Top Layer w6: U3.52@2336.42,2619.68 2336.45,2525.42 2339.23,2522.64 v1(2339.23,2520) ; R53.1@2510,2007.56 v1(2510,2100)
  Bottom Layer w6: v1(2339.23,2520) 2339.66,2519.57 2339.66,2230.34 2445,2125 2485,2125 v1(2510,2100)
STM_PC12: R51.1 U3.53 | length 784.7
  Top Layer w6: U3.53@2356.1,2619.68 2356.1,2485.77 v1(2356.87,2485) ; R51.1@2610,2007.56 v1(2610,2100)
  Bottom Layer w6: v1(2356.87,2485) 2358.44,2483.44 2358.44,2236.56 2455,2140 2570,2140 v1(2610,2100)
STM_PC13: R66.1 U3.2 | length 3671.6
  Top Layer w6: U3.2@2655.32,2722.05 2752.05,2722.05 2770,2740 2910,2740 2930,2720 v1(2930,2565) ; R66.1@5720,2007.56 v1(5720,2100)
  Bottom Layer w6: v1(2930,2565) 2930,2307 2962,2275 5545,2275 5590,2230 v1(5720,2100)
STM_PC14: R64.1 U3.3 | length 3774.1
  Top Layer w6: U3.3@2655.32,2741.73 2751.73,2741.73 2765,2755 2915,2755 2950,2720 v1(2950,2520) ; R64.1@5820,2007.56 v1(5820,2100)
  Bottom Layer w6: v1(2950,2520) 2950,2310 2970,2290 5630,2290 v1(5820,2100)
STM_PC15: R62.1 U3.4 | length 3875.4
  Top Layer w6: U3.4@2655.32,2761.42 2750.99,2761.42 2759.57,2770 2920,2770 2970,2720 v1(2970,2565) ; R62.1@5920,2007.56 v1(5920,2100)
  Bottom Layer w6: v1(2970,2565) 2970,2315 2980,2305 5715,2305 v1(5920,2100)
STM_PD2: R58.1 U3.54 | length 1587.5
  Top Layer w6: v1(2375,2520) 2375.39,2520.39 2375.39,2619.29 U3.54@2375.79,2619.68 ; R58.1@3435,2007.56 v1(3435,2100)
  Bottom Layer w6: v1(2375,2520) 2375,2245 2465,2155 3377.36,2155 3432.36,2100 v1(3435,2100)
STM_PH0: D9.1 U3.5
STM_PH1: C22.2 R20.1 SW3.2 U3.6 | length 4556.3
  Top Layer w6: U3.6@2655.32,2800.79 2655.71,2800.39 2749.61,2800.39 v1(2750,2800) ; v1(2745,3950) 2885,4090 4188.03,4090 4383.03,4285 4670,4285 5116.75,4285 SW3.2@5166.79,4335.04 5166.79,4580 SW3.2@5166.79,4905.91
  Bottom Layer w6: v1(2745,3950) 2745,2807.64 2750,2802.64 v1(2750,2800)
  Bottom Layer w10: v1(5165,4580) 5244.57,4580 R20.1@5246.08,4581.51 5245.11,4582.48 C22.2@5245.11,4656.51
TXON: P3.2 R36.1 U5.9 | length 1112.7
  Top Layer w6: U5.9@4894.41,3501.38 5026.38,3501.38 5130,3605 R36.1@5305.47,3605 5305.47,3628.2 5308.99,3631.72 5428.28,3631.72 v1(5430,3630)
  Bottom Layer w6: v1(5430,3630) 5450,3610 5450,3381.97 5492.17,3339.8 P3.2@5685,3339.8
TXOP: P3.1 R35.1 U5.8 | length 1087.6
  Top Layer w6: U5.8@4894.41,3485.63 5304.84,3485.63 R35.1@5305.47,3485 5305.47,3510.47 5310,3515 v1(5430,3515)
  Bottom Layer w6: v1(5430,3515) 5430,3385 5525.2,3289.8 P3.1@5785,3289.8
VBUS_UART_ESP: D6.1 U2.8 | length 275.6
  Top Layer w10: v1(3480,4450) D6.1@3480,4499.72 ; v1(3660,4448.24) 3660.81,4449.06 U2.8@3704.76,4449.06
  Bottom Layer w10: v1(3480,4450) 3480.88,4449.12 3659.12,4449.12 v1(3660,4448.24)
VBUS_UART_STM: D13.1 U4.8 | length 299.8
  Top Layer w10: v1(2680,4450) D13.1@2680,4505 ; v1(2875,4450) 2875.87,4449.13 U4.8@2924.45,4449.06 U4.8@2924.45,4449.06
  Bottom Layer w10: v1(2680,4450) v1(2875,4450)
VREF: C54.2 R70.2 R72.1 U11.5 | length 517.4
  Top Layer w10: U11.5@5591.3,2340 5699.44,2340 5714.56,2324.88 R72.1@5815,2324.88 5819.88,2320 v1(5870,2320) ; R70.2@5815,2492.56 5817.44,2495 5818.03,2494.41 v1(5869.61,2494.41)
  Bottom Layer w10: v1(5869.61,2494.41) 5870,2494.01 v1(5870,2320)
W5100_1V8_A: C31.2 C32.2 C43.2 L1.2 U5.7 U5.74 | length 4433
  Top Layer w6: v1(4325,4133.86) C43.2@4325,4099.53 4328.9,4095.63 L1.2@4385,4095.63 ; v1(4640,2805) 4640,2956.01 4631.49,2964.53 C31.2@4605,2964.53 4605,3035 4725.12,3155.12 U5.74@4725.12,3300.59 ; U5.7@4894.41,3469.88 5045.12,3469.88 5090,3425 C32.2@5310.47,3425 5310,3425.47 5310,3450 5315,3455 v1(5405,3455)
  Bottom Layer w6: v1(4325,4133.86) 4325,4135 4360,4170 5335,4170 5385,4120 5385,3815 5405,3795 v1(5405,3455) 5405,3350 5440,3315 5440,2880 5347.35,2787.35 4657.65,2787.35 v1(4640,2805)
W5100_1V8_D: C34.2 C35.2 C36.2 C37.2 C41.2 C42.2 L1.1 U5.11 U5.15 U5.16 U5.33 U5.69 | length 4306.9
  Top Layer w6: L1.1@4385,4035 4390.47,4040.47 4515,4040.47 C34.2@4585,4040.47 4585,4015 4630.63,3969.37 U5.33@4630.63,3749.41 ; v1(4505,2965) 4544.53,2965 C36.2@4545,2964.53 4545,3015 4646.38,3116.38 U5.69@4646.38,3300.59 ; U5.11@4894.41,3532.87 4968.87,3532.87 v1(4970,3531.75) ; U5.15@4894.41,3595.87 5070.87,3595.87 5200,3725 C37.2@5310.47,3725 5310.47,3755 ; U5.16@4894.41,3611.61 5066.61,3611.61 5240,3785 C35.2@5310.47,3785 5310.47,3755 ; v1(5270,3755) 5310.47,3755
  Top Layer w10: v1(4515,4000) 4515,4040.47 C41.2@4515,4042.6
  Bottom Layer w6: v1(4505,2965) 4505,3460 4576.75,3531.75 v1(4970,3531.75) ; 4970,3758.37 4973.37,3755
  Bottom Layer w10: v1(4515,4000) 4533.87,3981.13 4964.14,3981.13 4970,3975.27 4970,3758.37 v1(4970,3531.75) ; 4973.37,3755 v1(5270,3755)
W5100_3V3_A: C28.2 C45.2 C46.2 L2.2 P3.4 P3.5 U5.2 | length 2532.1
  Top Layer w6: L2.2@4890,4095.63 4773.9,4095.63 C46.2@4770,4099.53 4770,4190 4785,4205 5285,4205 5340,4150 v1(5340,3960) ; U5.2@4894.41,3391.14 4894.97,3391.7 4949.44,3391.7 v1(4950,3392.27) ; v1(5220,3390) 5365,3390 5369.53,3385.47 C28.2@5369.53,3365
  Top Layer w10: C28.2@5369.53,3365 5505,3365 v1(5545,3405) ; P3.4@5685,3439.8 5730.29,3485.1 5780.29,3485.1 P3.5@5785,3489.8
  Bottom Layer w6: v1(4950,3392.27) 4951.13,3391.13 5218.87,3391.13 v1(5220,3390) ; v1(5340,3395) v1(5340,3960)
  Bottom Layer w10: v1(5545,3405) 5579.8,3439.8 P3.4@5685,3439.8
W5100_3V3_D: C38.2 C39.2 C40.2 C44.2 L2.1 R38.2 R40.2 R45.1 U5.12 U5.18 U5.44 | length 4244.7
  Top Layer w6: v1(4165,3595) 4167.64,3595 4173.11,3600.47 C38.2@4210,3600.47 4300.47,3600.47 4327.36,3627.36 U5.44@4445.59,3627.36 ; L2.1@4890,4035 4945,4035 C44.2@4950,4040 5250,4040 5310.47,3979.53 R40.2@5310.47,3905 5310,3905.47 v1(5310,3960) ; U5.12@4894.41,3548.62 5043.62,3548.62 5160,3665 v1(5270,3665) C40.2@5310,3665 5310,3694.62 5306.49,3698.13 5271.87,3698.13 v1(5270,3700) ; U5.18@4894.41,3643.11 5078.11,3643.11 5280,3845 C39.2@5310.47,3845
  Top Layer w10: R45.1@4645,4094.53 v1(4645,4140) ; v1(4890,4000) L2.1@4890,4035 ; v1(5270,3125) R38.2@5305.47,3125 ; C39.2@5310.47,3845 R40.2@5310.47,3905
  Bottom Layer w6: v1(4165,3595) 4165,4050 4200,4085 4590,4085 v1(4645,4140) ; v1(5270,3700) 5270,3720 5310,3760 v1(5310,3960)
  Bottom Layer w10: v1(4645,4140) 4870,4140 4890,4120 v1(4890,4000) ; v1(5270,3125) v1(5270,3665)
XTLN: C33.2 R44.1 U5.75 Y1.3 | length 545.2
  Top Layer w6: C33.2@4725.47,2845 4721.69,2848.78 Y1.3@4721.69,2908.5 4681.5,2908.5 4675,2915 4675,3030 4685,3040 R44.1@4715.47,3040 4715.47,3046.89 4740.87,3072.28 U5.75@4740.87,3300.59
XTLP: C30.2 R44.2 U5.76 Y1.1 | length 447.9
  Top Layer w6: U5.76@4756.61,3300.59 4756.61,3253.84 4753.13,3250.35 4753.13,3068.29 4774.53,3046.89 R44.2@4774.53,3040 4795,3040 4808.31,3026.69 Y1.1@4808.31,2971.5 4888.03,2971.5 C30.2@4890,2969.53
pads on no net: D7.3 D7.5 D14.3 D14.5 D19.1 D19.5 D19.6 H1.1 H2.1 H3.1 H4.1 J3.4 J3.MH1 J3.MH2 J4.4 J4.MH1 J4.MH2 P3. P3.7 U1.32 U1.33 U2.1 U2.2 U2.10 U2.12 U2.13 U2.14 U2.15 U2.16 U2.17 U2.18 U2.19 U2.20 U2.21 U2.22 U2.23 U2.27 U3.27 U3.29 U3.30 U3.35 U3.36 U3.41 U4.1 U4.2 U4.10 U4.12 U4.13 U4.14 U4.15 U4.16 U4.17 U4.18 U4.19 U4.20 U4.21 U4.22 U4.23 U4.24 U4.27 U4.28 U5.3 U5.19 U5.20 U5.21 U5.22 U5.23 U5.24 U5.25 U5.26 U5.38 U5.39 U5.40 U5.41 U5.42 U5.45 U5.46 U5.47 U5.48 U5.49 U5.50 U5.51 U5.52 U5.53 U5.54 U5.55 U5.56 U5.57 U5.58 U5.59 U5.60 U5.61 U5.62 U5.70 U5.71 U5.72 U5.73 U5.78 U5.79 U5.80

## Keep-outs
Keep-Out Layer:
  lines w10: 1000,1105 6485,1105 6485,5000 1000,5000 1000,1105 ; 3120,3750 3120,4000 3890,4000 3890,3750 3120,3750

## Other copper
Top Layer:
  pour cut-out: 4795,3145 4945,2995 4945,2815 4935,2805 4675,2805 4645,2835 4645,3055 4725,3135 4725,3265 4730,3265 4730,3135 4650,3055 4650,2835 4675,2810 4935,2810 4940,2815 4940,2995 4790,3145 4790,3265 4795,3265
  pour cut-out: 5475,2975 6485,2975 6485,3025 5525,3025 5525,3900 6485,3900 6485,3950 5475,3950
Bottom Layer:
  pour cut-out: 4795,3145 4945,2995 4945,2815 4935,2805 4675,2805 4645,2835 4645,3055 4725,3135 4725,3265 4730,3265 4730,3135 4650,3055 4650,2835 4675,2810 4935,2810 4940,2815 4940,2995 4790,3145 4790,3265 4795,3265
  pour cut-out: 5475,2975 6485,2975 6485,3025 5525,3025 5525,3900 6485,3900 6485,3950 5475,3950

## Text inside footprints (layer, text, board x,y; h text height)
D1: Top Overlay "+" at 4010.11,2325 h30 r180
D2: Top Overlay "+" at 3836.33,2325 h30 r180
D3: Top Overlay "+" at 3662.56,2325 h30 r180
D4: Top Overlay "+" at 2985,3505 h30 r90
D5: Top Overlay "+" at 3481,4395 h30 r270
D8: Top Overlay "+" at 3488.78,2325 h30 r180
D9: Top Overlay "+" at 3315,2325 h30 r180
D10: Top Overlay "+" at 3369,4295 h30 r90
D11: Top Overlay "+" at 3369,4480 h30 r90
D12: Top Overlay "+" at 2690,4395 h30 r270
D17: Top Overlay "+" at 1665.35,4965 h30 r180
D18: Top Overlay "+" at 1935,4960 h30 r180
J3: Mechanical 2 "PCB Edge" at 3831.18,5024.92 h16 r180
J4: Mechanical 2 "PCB Edge" at 3046.18,5024.92 h16 r180
P1: Top Overlay "16" at 1850.55,1434.41 h40; Top Overlay "15" at 1850.55,1158.82 h40; Top Overlay "1" at 1057.64,1158.82 h40; Top Overlay "2" at 1045.83,1434.41 h40